# Altium PCB FMC_ADC_100M_10B_16CHA_TDC.PcbDoc (part 1 of 12) (continued)
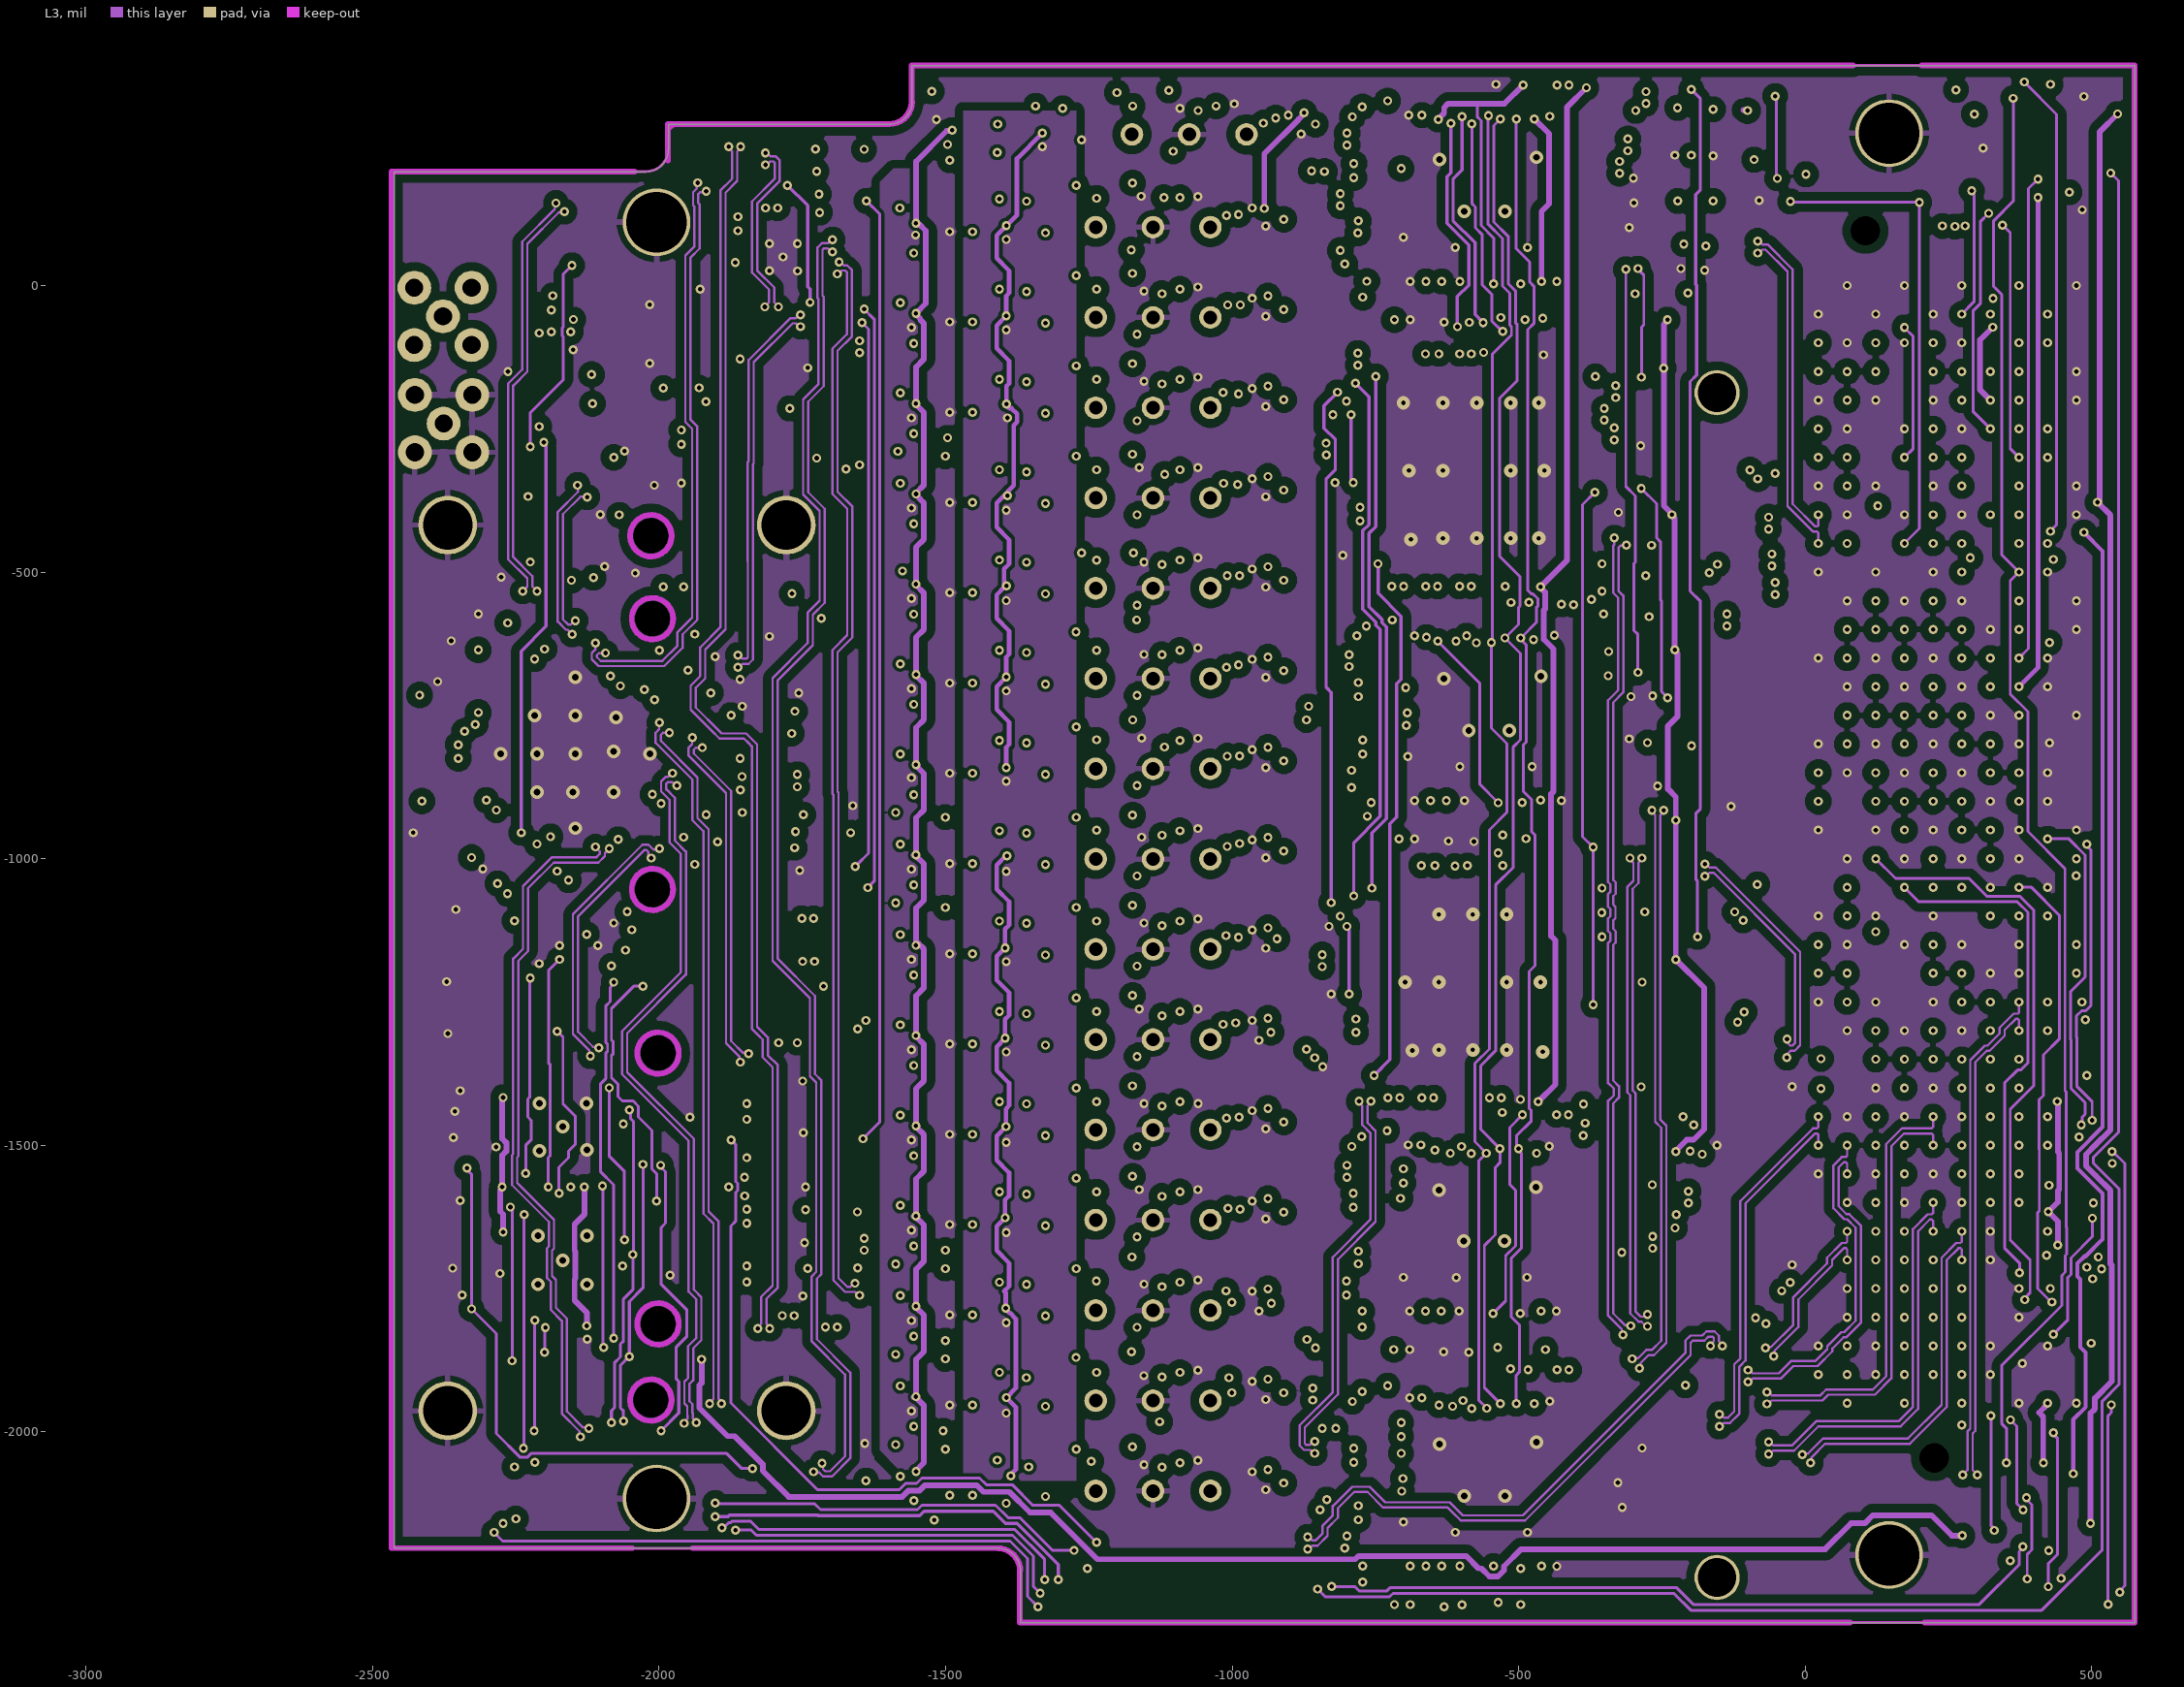
[diagram p4: L3]
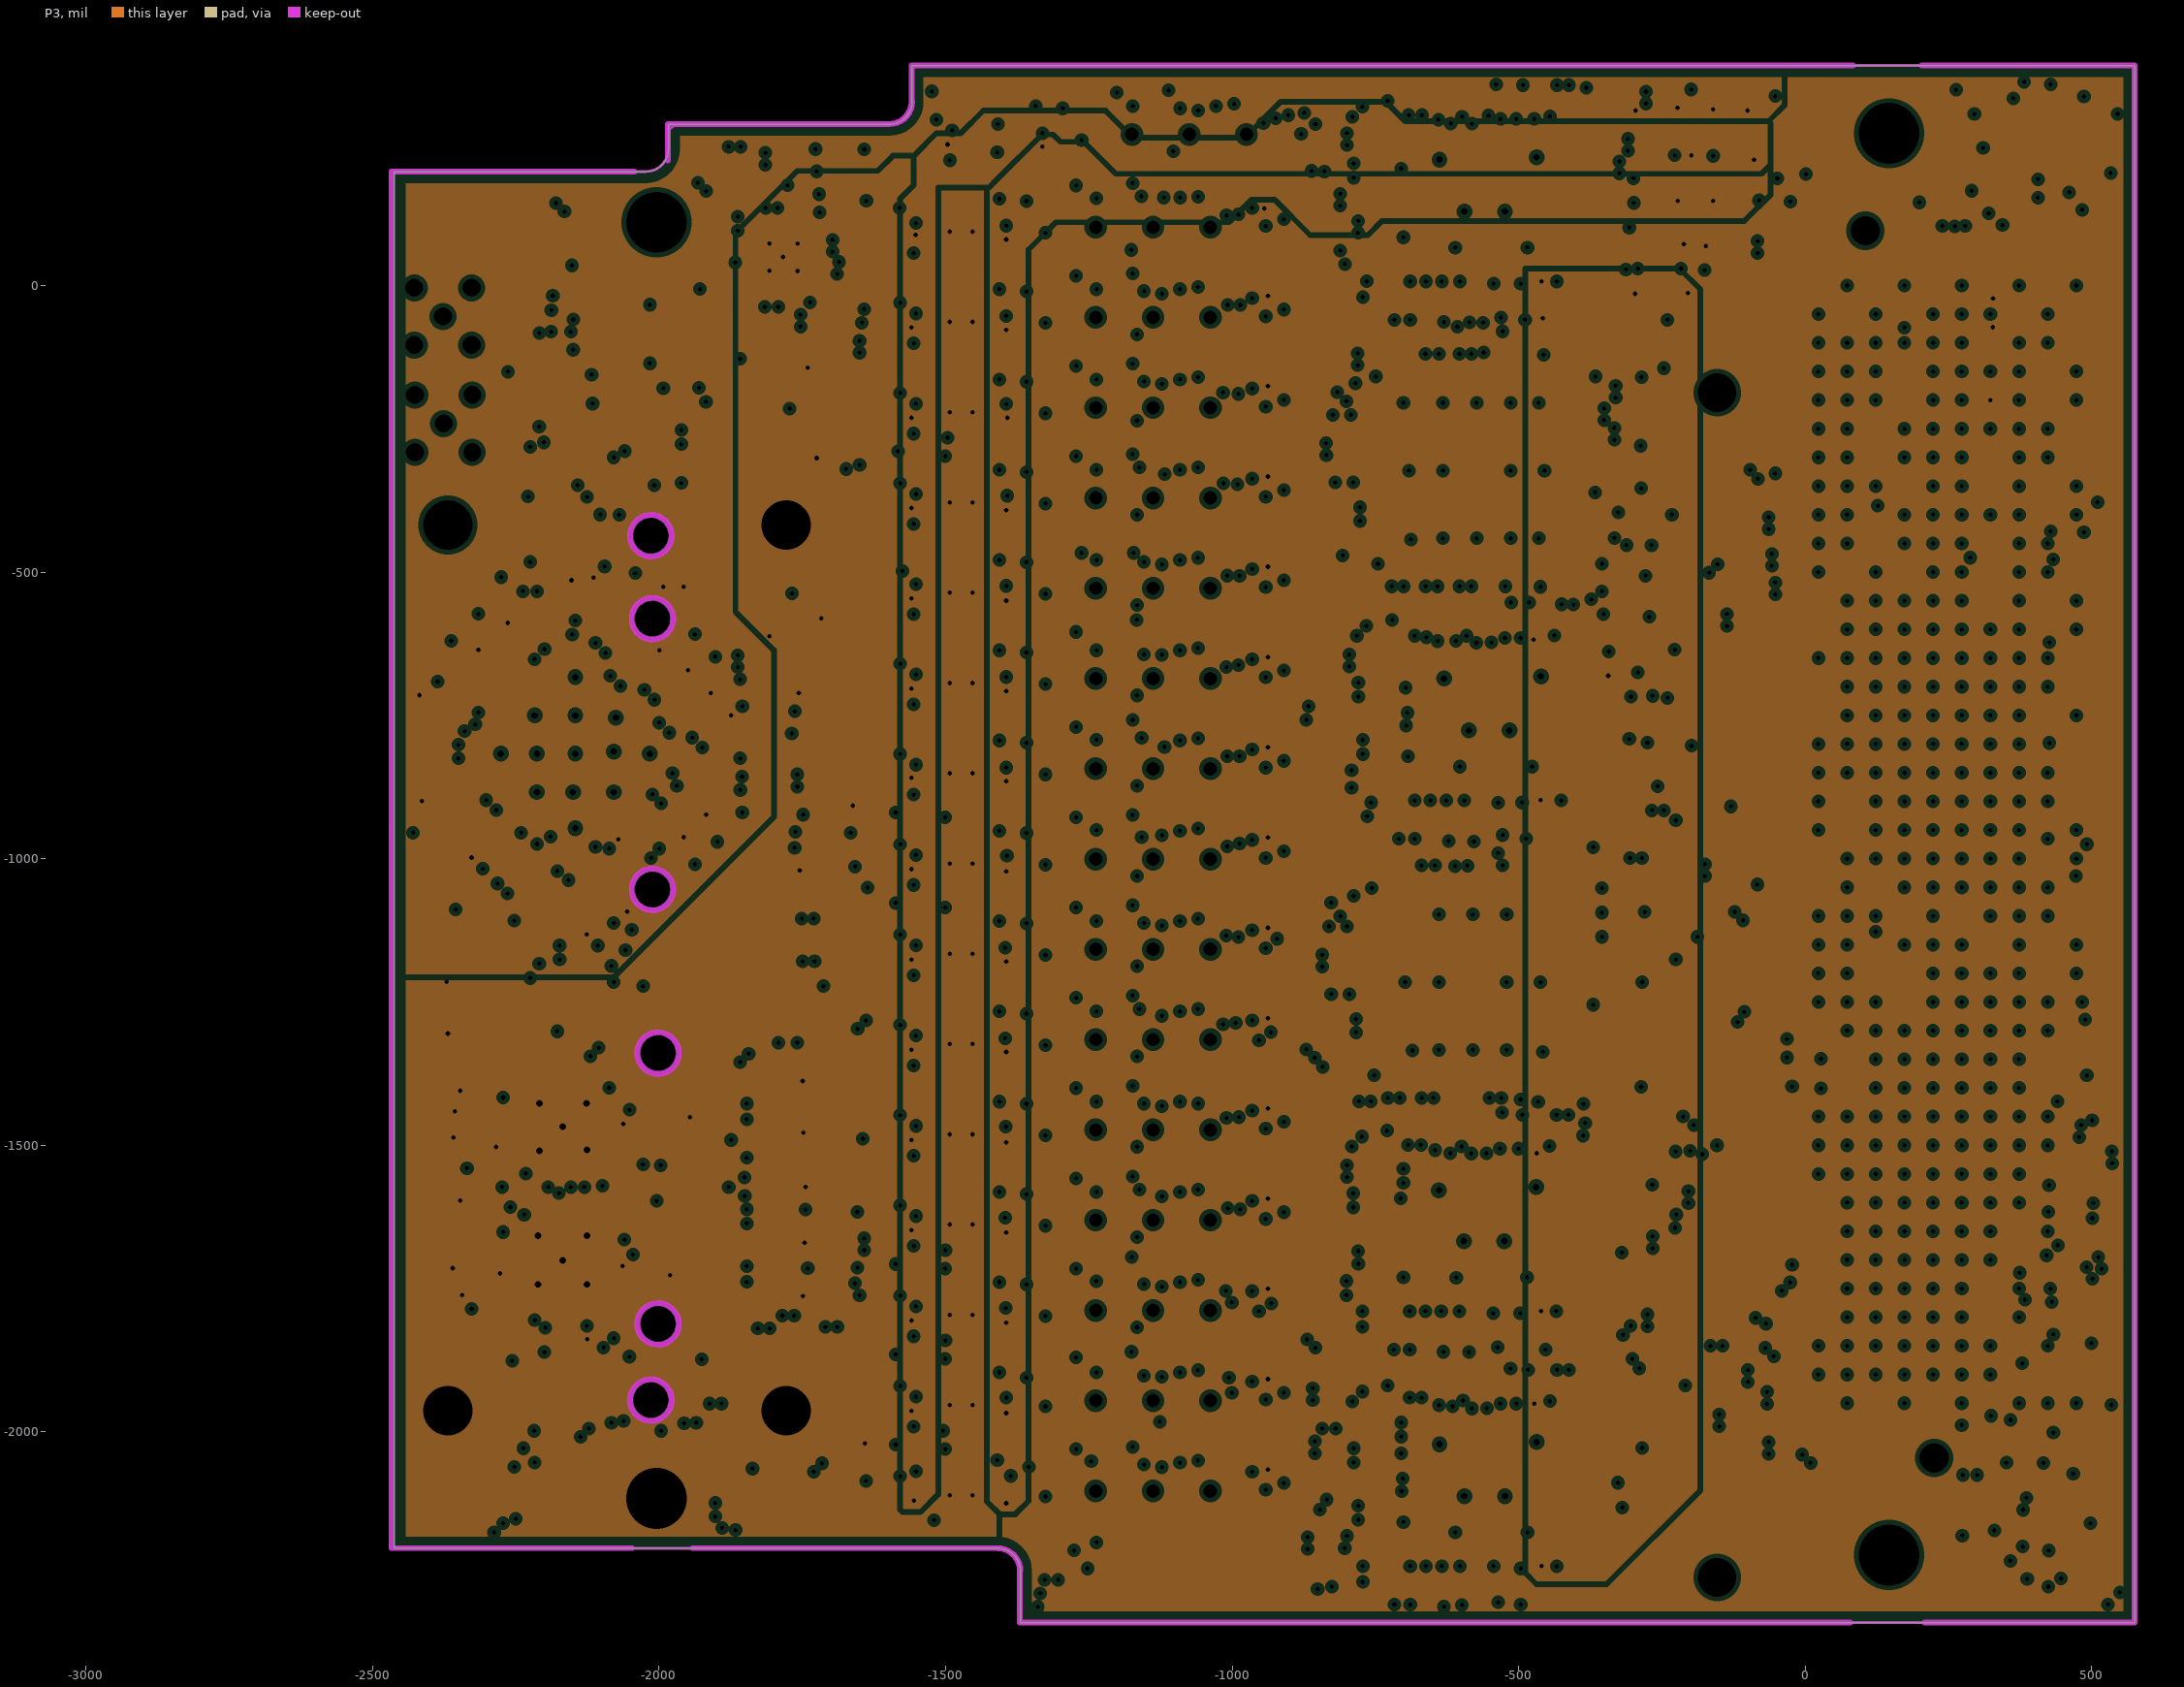
[diagram p5: P3, clearances drawn from the general rule]
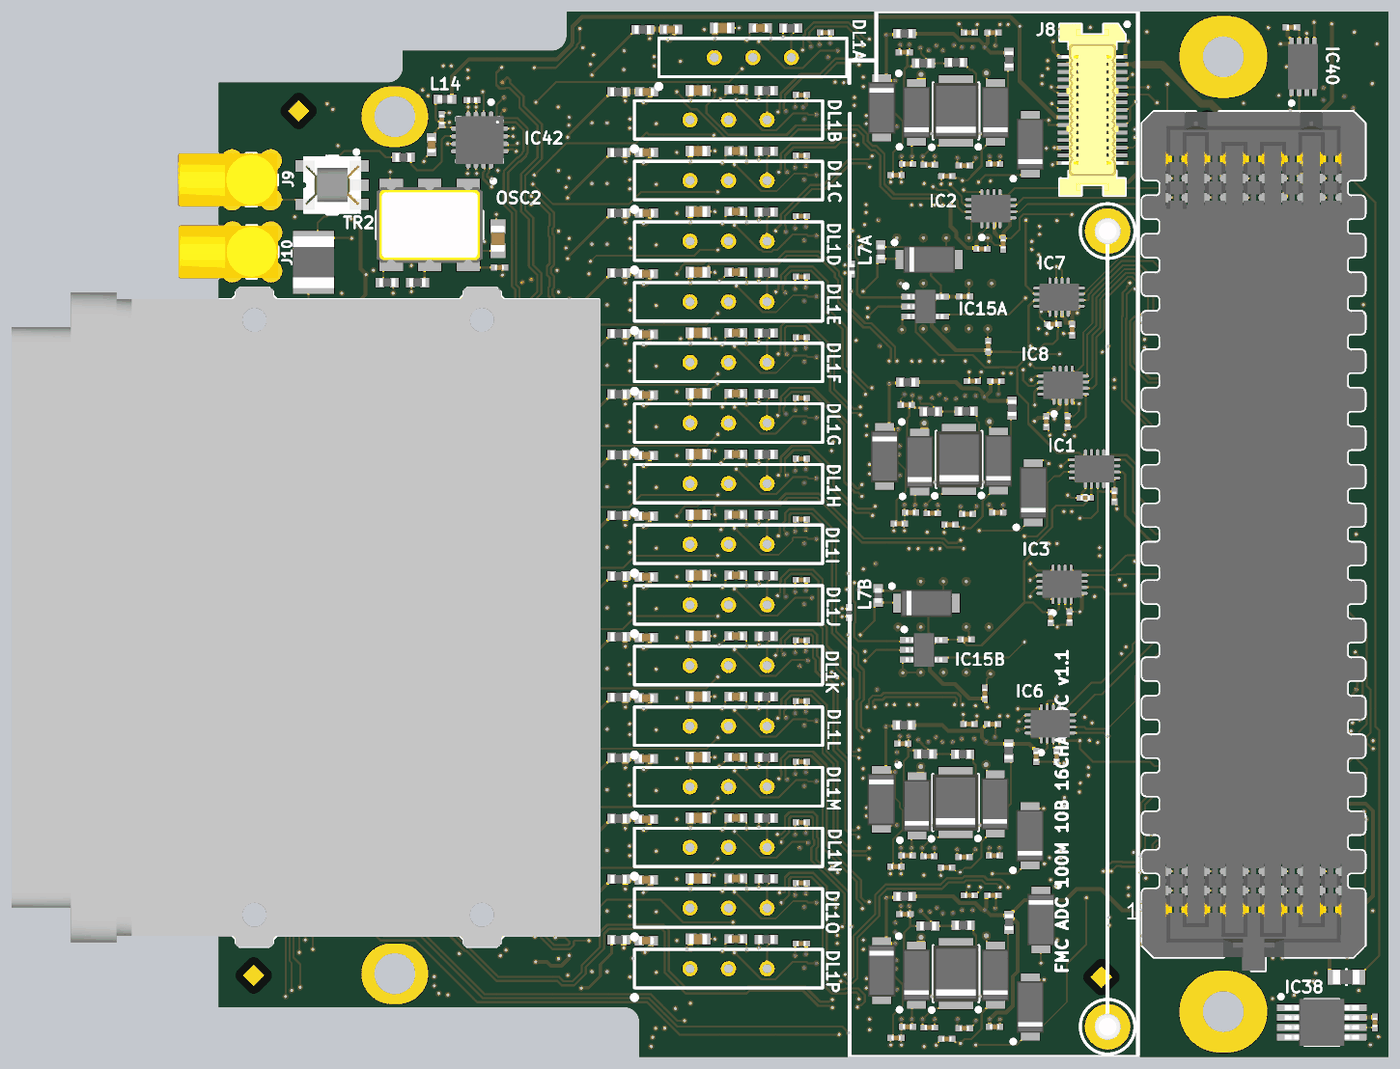
[diagram p17: 3D render of the assembled board from above, using the file's embedded part models]
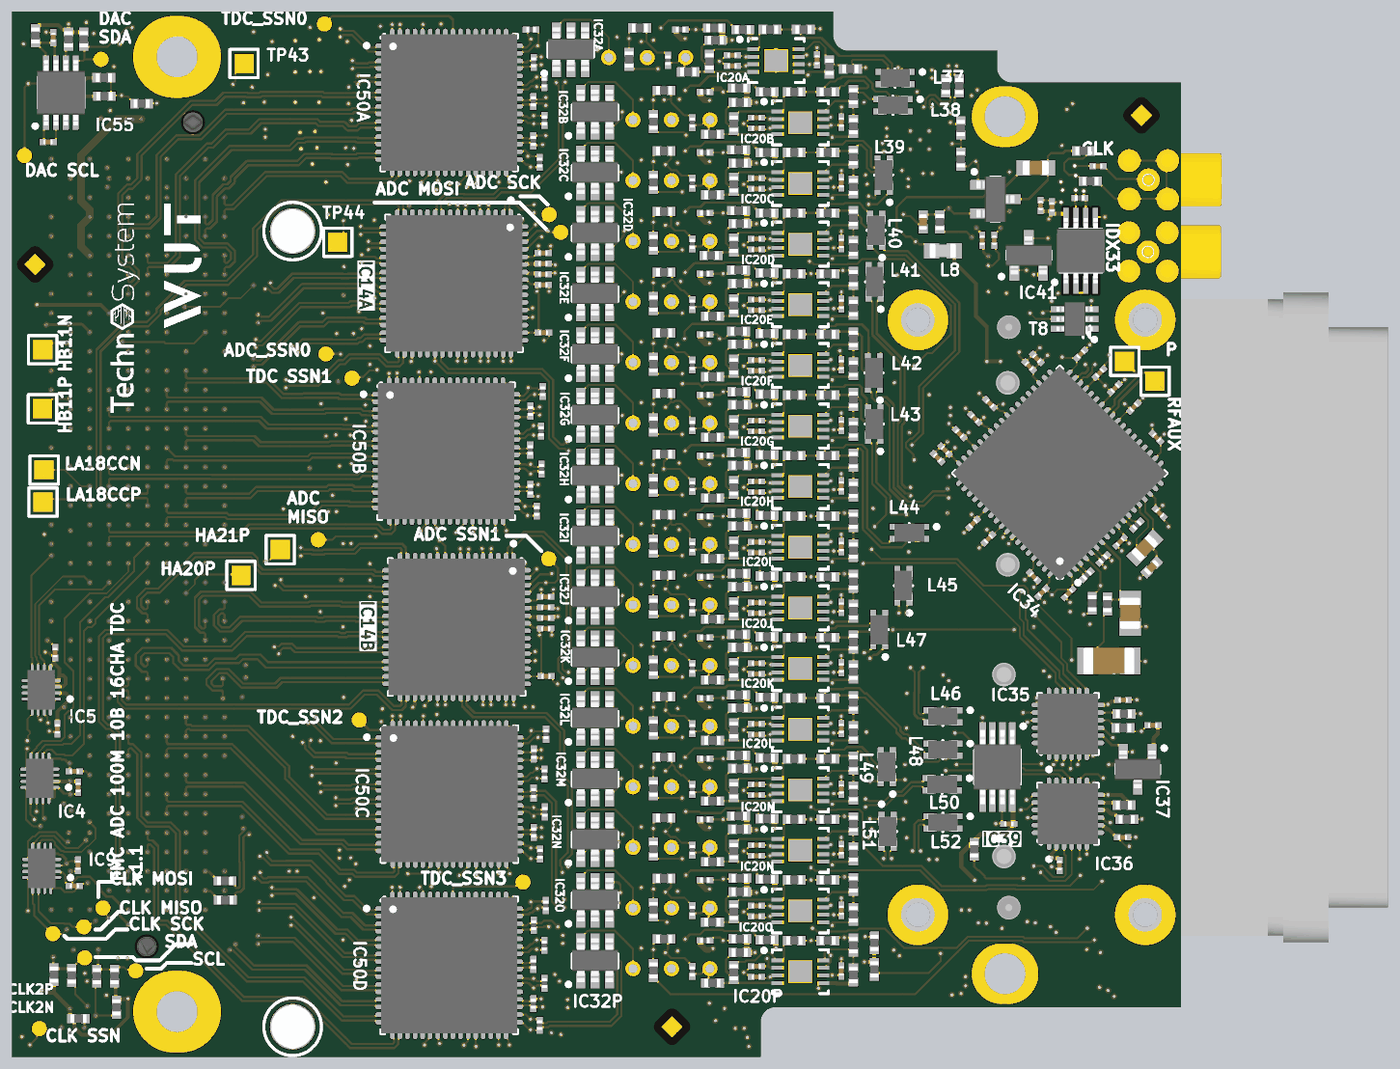
[diagram p18: 3D render of the assembled board from below, using the file's embedded part models]

## Layer stack, top to bottom
TopSolder: solder mask 0.394, Solder Resist, Dk 3.5
TOP: signal copper 1.378
Dielectric1: prepreg 7.087, FR-4, Dk 4.8
G1: plane copper 0.709, net GND
Dielectric2: core 11.811, FR-4, Dk 4.8
L2: signal copper 0.709
Dielectric 3: prepreg 7.087, FR-4, Dk 4.8
L3: signal copper 0.709
Dielectric 4: core 11.811, FR-4, Dk 4.8
P3: plane copper 0.709, net (Multiple Nets)
Dielectric5: prepreg 7.087, FR-4, Dk 4.8
BOTTOM: signal copper 1.378
BottomSolder: solder mask 0.394, Solder Resist, Dk 3.5

## Board outline
-2462,-2202.98 -2462,198.6 -2023.03,198.6 ccw(c-2023.03,237.97) -1983.66,237.97 -1983.66,281.27 -1597.84,281.27 ccw(c-1597.84,320.64) -1558.47,320.64 -1558.47,383.63 575.39,383.63 575.39,-2332.9 -1369.49,-2332.9 -1369.49,-2242.35 ccw(c-1408.86,-2242.35) -1408.86,-2202.98

## Design rules (kind name [scope] priority, off if disabled: settings)
AcuteAngle [All] p1: minimum=6.00000000000000E+0001 checktracksonly=FALSE
AssemblyTestPointUsage [All] p1 off:
AssemblyTestpoint [All] p1 off: testpointundercomponent=TRUE minsize=40 maxsize=100 preferedsize=60 minholesize=0 maxholesize=40 preferedholesize=32 testpointgrid=1 usegrid=TRUE gridtolerance=0.01 allowsidetop=TRUE allowsidebottom=TRUE
Clearance Clearance_poly_gnd [(InPolygon AND InNet('GND'))] p1: gap=15 ignorepadtopadclearanceinfootprint=FALSE
Clearance Clearance_poly [InPolygon] p2: gap=6 ignorepadtopadclearanceinfootprint=FALSE except(0: Arc-Hole Track-Hole SMDPad-Hole THPad-Hole Via-Hole Fill-Hole Poly-Hole Region-Hole Text-Hole)
Clearance [All] p3: gap=5 ignorepadtopadclearanceinfootprint=FALSE except(0: Arc-Hole Track-Hole SMDPad-Hole THPad-Hole Via-Hole Fill-Hole Poly-Hole Region-Hole Text-Hole)
ComponentClearance NO_DRC [InComponentClass('NO_DRC')] p1 off: gap=0 collisioncheckmode=3 verticalgap=100000 showdistances=FALSE
ComponentClearance [All] p2 off: gap=1 collisioncheckmode=3 verticalgap=100000 showdistances=FALSE
DiffPairsRouting [All] p1: maxlimit=6.5 minlimit=5 mostfreqgap=5 toplayer_maxgap=5 toplayer_minwidth=5.71 toplayer_maxwidth=5.71 toplayer_prefwidth=5.93 midlayer1_maxgap=5 midlayer1_minwidth=4 midlayer1_maxwidth=4 midlayer1_prefwidth=4 midlayer2_minwidth=4 midlayer2_maxwidth=4 midlayer2_prefwidth=4 bottomlayer_maxgap=5 bottomlayer_minwidth=5.71 bottomlayer_maxwidth=5.71 bottomlayer_prefwidth=5.93 impedanceprofiledriven=TRUE impedanceprofileid={2806E7CF-2430-42CC-B17D-BA5BD4E4DC07} impedanceprofilevalue=100.000000 maxuncoupledlength=1181.1
FabricationTestPointUsage [All] p1 off: valid=0 allowmultiple=FALSE
FabricationTestpoint [(IsPad And (OnTopLayer Or OnBottomLayer))] p1 off: side=3 testpointundercomponent=TRUE minsize=40 maxsize=100 preferedsize=60 minholesize=0 maxholesize=40 preferedholesize=32 testpointgrid=1 allowsidetop=TRUE allowsidebottom=TRUE usegrid=TRUE gridtolerance=0.01
FanoutControl Fanout_BGA [IsBGA] p1 off: bgadir=Out bgaviamode=Centered fanoutstyle=Auto fanoutdirection=Alternating viagrid=1 // Fanout_BGA (Default Rule)
FanoutControl Fanout_LCC [IsLCC] p2 off: bgadir=Out bgaviamode=Centered fanoutstyle=Auto fanoutdirection=Alternating viagrid=1 // Fanout_LCC (Default Rule)
FanoutControl Fanout_SOIC [IsSOIC] p3 off: bgadir=Out bgaviamode=Centered fanoutstyle=Auto fanoutdirection=Alternating viagrid=1 // Fanout_SOIC (Default Rule)
FanoutControl Fanout_Small [(CompPinCount < 5)] p4 off: bgadir=Out bgaviamode=Centered fanoutstyle=Auto fanoutdirection=OutThenIn viagrid=1 // Fanout_Small (Default Rule)
FanoutControl Fanout_Default [All] p5 off: bgadir=Out bgaviamode=Centered fanoutstyle=Auto fanoutdirection=Alternating viagrid=1 // Fanout_Default (Default Rule)
Height Height_Top [OnTop] p1 off: minheight=0 maxheight=370 prefheight=350
Height Height_Bot [OnBottom] p2 off: minheight=0 maxheight=58 prefheight=52
HoleSize [All] p1: absolutevalues=TRUE maxlimit=196.85 minlimit=5.91 maxpercent=80.000 minpercent=20.000
HoleToHoleClearance [All] p1: gap=5.91 allowstackedmicrovias=TRUE
LayerPairs [All] p1 off: enforce=TRUE
Length "'Default' PADS rule" [All] p1 off: maxlimit=50000 minlimit=0
MatchedLengths "'Default' PADS rule_7" [InNetClass('All Nets')] p1 off: tolerance=200 checknetsindiffpair=TRUE checkdiffpairvsdiffpair=FALSE checkxsignals=FALSE checkothers=FALSE
MinimumAnnularRing [All] p1: minimumring=3.94
MinimumSolderMaskSliver [All] p1: minsoldermaskwidth=1.97
MinimumSolderMaskSliver SilkscreenOverComponentPads [All] p2: minsoldermaskwidth=10
ParallelSegment "'Default' PADS rule_3" [All] p1 off: limit=1000 gap=200
ParallelSegment "'Default' PADS rule_2" [All] p2 off: limit=1000 gap=200
PasteMaskExpansion [All] p1 off: expansion=0
PlaneClearance [All] p1: clearance=8
PlaneConnect PlaneConnect_pad [(InPadClass('All Pads'))] p1: planeconnectstyle=Relief reliefexpansion=6 reliefentries=4 reliefconductorwidth=6 reliefairgap=8
PlaneConnect [All] p2: planeconnectstyle=Direct reliefexpansion=20 reliefentries=4 reliefconductorwidth=10 reliefairgap=10
PolygonConnect PolygonConnect_pad [(InPadClass('All Pads'))] p1: connectstyle=Relief reliefconductorwidth=10 reliefentries=4 polygonreliefangle="90 Angle" airgapwidth=10
PolygonConnect [All] p2: connectstyle=Direct reliefconductorwidth=10 reliefentries=4 polygonreliefangle="90 Angle" airgapwidth=10
RoomDefinition U_TDC3 [InComponentClass('U_TDC3')] p1 off: confinementstyle=ConfineIn formatcopy=TRUE lockcomponents=FALSE outline -867.59,-2316.98 -267.2,-2316.98 -267.2,-1879.97 -867.59,-1879.97
RoomDefinition Translators [InComponentClass('Translators')] p2 off: confinementstyle=ConfineIn formatcopy=TRUE lockcomponents=FALSE outline 612.78,-2019.92 1825.34,-2019.92 1825.34,-1783.7 612.78,-1783.7
RoomDefinition IDX_CTRL [InComponentClass('IDX_CTRL')] p3 off: confinementstyle=ConfineIn formatcopy=TRUE lockcomponents=FALSE outline 613.78,-2269.74 1962.2,-2269.74 1962.2,-1974.46 613.78,-1974.46
RoomDefinition U_ADC1 [InComponentClass('U_ADC1')] p4 off: confinementstyle=ConfineIn formatcopy=TRUE lockcomponents=FALSE outline -850.79,-1419.34 -358.66,-1419.34 -358.66,-996.12 -850.79,-996.12
RoomDefinition U_ADC0 [InComponentClass('U_ADC0')] p5 off: confinementstyle=ConfineIn formatcopy=TRUE lockcomponents=FALSE outline -843.9,-526.78 -351.77,-526.78 -351.77,-103.56 -843.9,-103.56
RoomDefinition U_DACs [InComponentClass('U_DACs')] p6 off: confinementstyle=ConfineIn formatcopy=TRUE lockcomponents=FALSE outline -2419.81,-1828.62 -2419.81,-1362.81 -2052.48,-1362.81 -2052.48,-1828.62
RoomDefinition U_SAS_Connectors [InComponentClass('U_SAS_Connectors')] p7 off: confinementstyle=ConfineIn formatcopy=TRUE lockcomponents=FALSE outline -1487.72,-2272.26 -3052.68,-2272.26 -3052.68,-323.44 -1487.72,-323.44
RoomDefinition U_TDC2 [InComponentClass('U_TDC2')] p8 off: confinementstyle=ConfineIn formatcopy=TRUE lockcomponents=FALSE outline -868.51,-1872.1 -268.11,-1872.1 -268.11,-1435.09 -868.51,-1435.09
RoomDefinition U_TDC1 [InComponentClass('U_TDC1')] p9 off: confinementstyle=ConfineIn formatcopy=TRUE lockcomponents=FALSE outline -859.72,-981.16 -259.32,-981.16 -259.32,-544.15 -859.72,-544.15
RoomDefinition U_TDC0 [InComponentClass('U_TDC0')] p10 off: confinementstyle=ConfineIn formatcopy=TRUE lockcomponents=FALSE outline -867.59,-75.64 -267.2,-75.64 -267.2,361.36 -867.59,361.36
RoomDefinition U_power_supply [InComponentClass('U_power_supply')] p11 off: confinementstyle=ConfineIn formatcopy=TRUE lockcomponents=FALSE outline -291.73,-108.32 30.46,-108.32 30.46,356.94 -291.73,356.94
RoomDefinition "U_FMC connector" [InComponentClass('U_FMC connector')] p12 off: confinementstyle=ConfineIn formatcopy=TRUE lockcomponents=FALSE outline 530,-2291.94 -198.35,-2291.94 -198.35,326.17 530,326.17
RoomDefinition U_EEPROM_Temp [InComponentClass('U_EEPROM_Temp')] p13 off: confinementstyle=ConfineIn formatcopy=TRUE lockcomponents=FALSE outline 569.37,-2341.15 87.08,-2341.15 87.08,434.44 569.37,434.44
RoomDefinition U_Clock_circuit [InComponentClass('U_Clock_circuit')] p14 off: confinementstyle=ConfineIn formatcopy=TRUE lockcomponents=FALSE outline -2629.45,-2104.93 -1546.78,-2104.93 -1546.78,306.48 -2629.45,306.48
RoomDefinition U_CFD14 [InComponentClass('U_CFD14')] p15 off: confinementstyle=ConfineIn formatcopy=TRUE lockcomponents=FALSE outline -1640.28,-2002.57 -833.19,-2002.57 -833.19,-1845.09 -1640.28,-1845.09
RoomDefinition U_CFD13 [InComponentClass('U_CFD13')] p16 off: confinementstyle=ConfineIn formatcopy=TRUE lockcomponents=FALSE outline -1640.28,-1845.09 -833.19,-1845.09 -833.19,-1687.61 -1640.28,-1687.61
RoomDefinition U_CFD12 [InComponentClass('U_CFD12')] p17 off: confinementstyle=ConfineIn formatcopy=TRUE lockcomponents=FALSE outline -1640.28,-1687.61 -833.19,-1687.61 -833.19,-1530.13 -1640.28,-1530.13
RoomDefinition U_CFD11 [InComponentClass('U_CFD11')] p18 off: confinementstyle=ConfineIn formatcopy=TRUE lockcomponents=FALSE outline -1640.28,-1530.13 -833.19,-1530.13 -833.19,-1372.65 -1640.28,-1372.65
RoomDefinition U_CFD10 [InComponentClass('U_CFD10')] p19 off: confinementstyle=ConfineIn formatcopy=TRUE lockcomponents=FALSE outline -1640.28,-1372.65 -833.19,-1372.65 -833.19,-1215.17 -1640.28,-1215.17
RoomDefinition U_CFD9 [InComponentClass('U_CFD9')] p20 off: confinementstyle=ConfineIn formatcopy=TRUE lockcomponents=FALSE outline -1640.28,-1215.17 -833.19,-1215.17 -833.19,-1057.69 -1640.28,-1057.69
RoomDefinition U_CFD8 [InComponentClass('U_CFD8')] p21 off: confinementstyle=ConfineIn formatcopy=TRUE lockcomponents=FALSE outline -1640.28,-1057.69 -833.19,-1057.69 -833.19,-900.21 -1640.28,-900.21
RoomDefinition U_CFD7 [InComponentClass('U_CFD7')] p22 off: confinementstyle=ConfineIn formatcopy=TRUE lockcomponents=FALSE outline -1640.28,-900.21 -833.19,-900.21 -833.19,-742.73 -1640.28,-742.73
RoomDefinition U_CFD6 [InComponentClass('U_CFD6')] p23 off: confinementstyle=ConfineIn formatcopy=TRUE lockcomponents=FALSE outline -1640.28,-742.73 -833.19,-742.73 -833.19,-585.25 -1640.28,-585.25
RoomDefinition U_CFD5 [InComponentClass('U_CFD5')] p24 off: confinementstyle=ConfineIn formatcopy=TRUE lockcomponents=FALSE outline -1640.28,-585.25 -833.19,-585.25 -833.19,-427.77 -1640.28,-427.77
RoomDefinition U_CFD4 [InComponentClass('U_CFD4')] p25 off: confinementstyle=ConfineIn formatcopy=TRUE lockcomponents=FALSE outline -1640.28,-427.77 -833.19,-427.77 -833.19,-270.29 -1640.28,-270.29
RoomDefinition U_CFD3 [InComponentClass('U_CFD3')] p26 off: confinementstyle=ConfineIn formatcopy=TRUE lockcomponents=FALSE outline -1640.28,-270.29 -833.19,-270.29 -833.19,-112.81 -1640.28,-112.81
RoomDefinition U_CFD2 [InComponentClass('U_CFD2')] p27 off: confinementstyle=ConfineIn formatcopy=TRUE lockcomponents=FALSE outline -1640.28,-112.81 -833.19,-112.81 -833.19,44.67 -1640.28,44.67
RoomDefinition U_CFD1 [InComponentClass('U_CFD1')] p28 off: confinementstyle=ConfineIn formatcopy=TRUE lockcomponents=FALSE outline -1640.28,44.67 -833.19,44.67 -833.19,202.15 -1640.28,202.15
RoomDefinition U_CFD0 [InComponentClass('U_CFD0')] p29 off: confinementstyle=ConfineIn formatcopy=TRUE lockcomponents=FALSE outline -1577.17,206.64 -770.08,206.64 -770.08,364.12 -1577.17,364.12
RoomDefinition FMC_ADC_100M_10B_16CHA_TDC [InComponentClass('FMC_ADC_100M_10B_16CHA_TDC')] p30 off: confinementstyle=ConfineIn formatcopy=TRUE lockcomponents=FALSE outline -149.14,-2675.8 372.52,-2675.8 372.52,-2311.63 -149.14,-2311.63
RoomDefinition U_CFD15 [InComponentClass('U_CFD15')] p31 off: confinementstyle=ConfineIn formatcopy=TRUE lockcomponents=FALSE outline -1640.28,-2160.05 -833.19,-2160.05 -833.19,-2002.57 -1640.28,-2002.57
RoutingCorners [All] p1 off: cornerstyle=45-Degree minsetback=100 maxsetback=100
RoutingLayers "'Default' PADS rule_10" [All] p1: top layer_v5=TRUE mid layer 1_v5=TRUE mid layer 2_v5=TRUE bottom layer_v5=TRUE
RoutingPriority "'Default' PADS rule_9" [All] p1 off: routingpriority=0
RoutingTopology "'Default' PADS rule_8" [All] p1 off: topology=Shortest
RoutingVias via [All] p1: holewidth=7.87 width=15.75 viastyle="Through Hole" minholewidth=7.87 minwidth=15.75 maxholewidth=19.68 maxwidth=39.37
SMDToPlane "'Default' PADS rule_16" [All] p1 off: distance=20000
SilkToSilkClearance [All] p1: silktosilkclearance=0
SolderMaskExpansion "Solder Mask Expansion from CAM settings" [All] p1 off: expansion=2 istentingtop=FALSE
ViasUnderSMD ViasUnderSMD_allow [HasFootprint('QFN50P400X400X100-25N-S280') or HasFootprint('QFN50P300X300X90-17N-S175') or HasFootprint('QFN50P900X900X100-65N-S615')or HasFootprint('QFN50P1000X1000X100-73N-S545')     or HasFootprint('QFN50P900X900X100-65N-S615 ') or    HasFootprint('SDA08C')] p1: allowed=TRUE
ViasUnderSMD [All] p2: allowed=FALSE
Width diff [(InDifferentialPairClass('All Differential Pairs'))] p1: maxlimit=100 minlimit=4.72 preferedwidth=20 toplayer_maxwidth=5.12 toplayer_prefwidth=5 midlayer1_minwidth=5 midlayer2_minwidth=5.91 midlayer2_maxwidth=6.3 midlayer2_prefwidth=6 bottomlayer_maxwidth=5.12 bottomlayer_prefwidth=5 minimp=50.000000 maximp=50.000000 favimp=50.000000